# Altium PCB DS132-1.0-B电导率传感器.PcbDoc
Units mm, origin at the board's own origin, x right, y up, seen from the top; angles counter-clockwise.
Board outline 41 x 64 mm, 2 copper layers (Top Layer, Bottom Layer); 66 components, 60 nets, 235 pads, 86 vias.
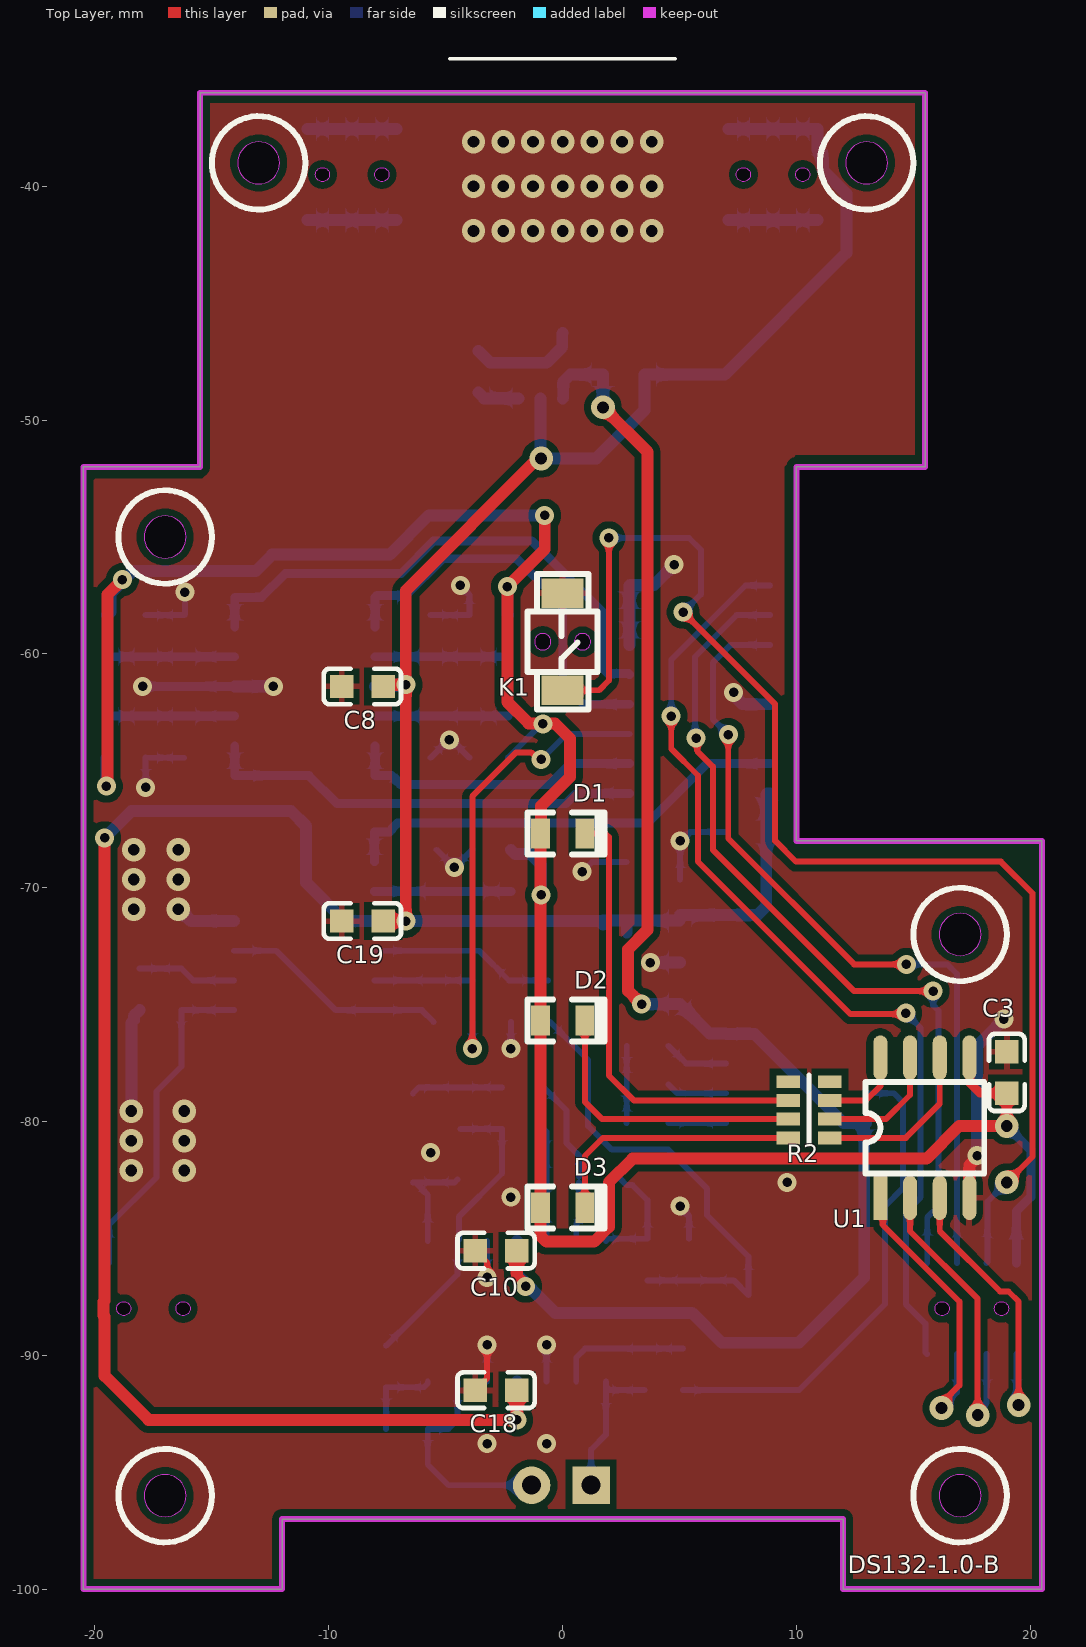
[diagram p0: Top Layer view]
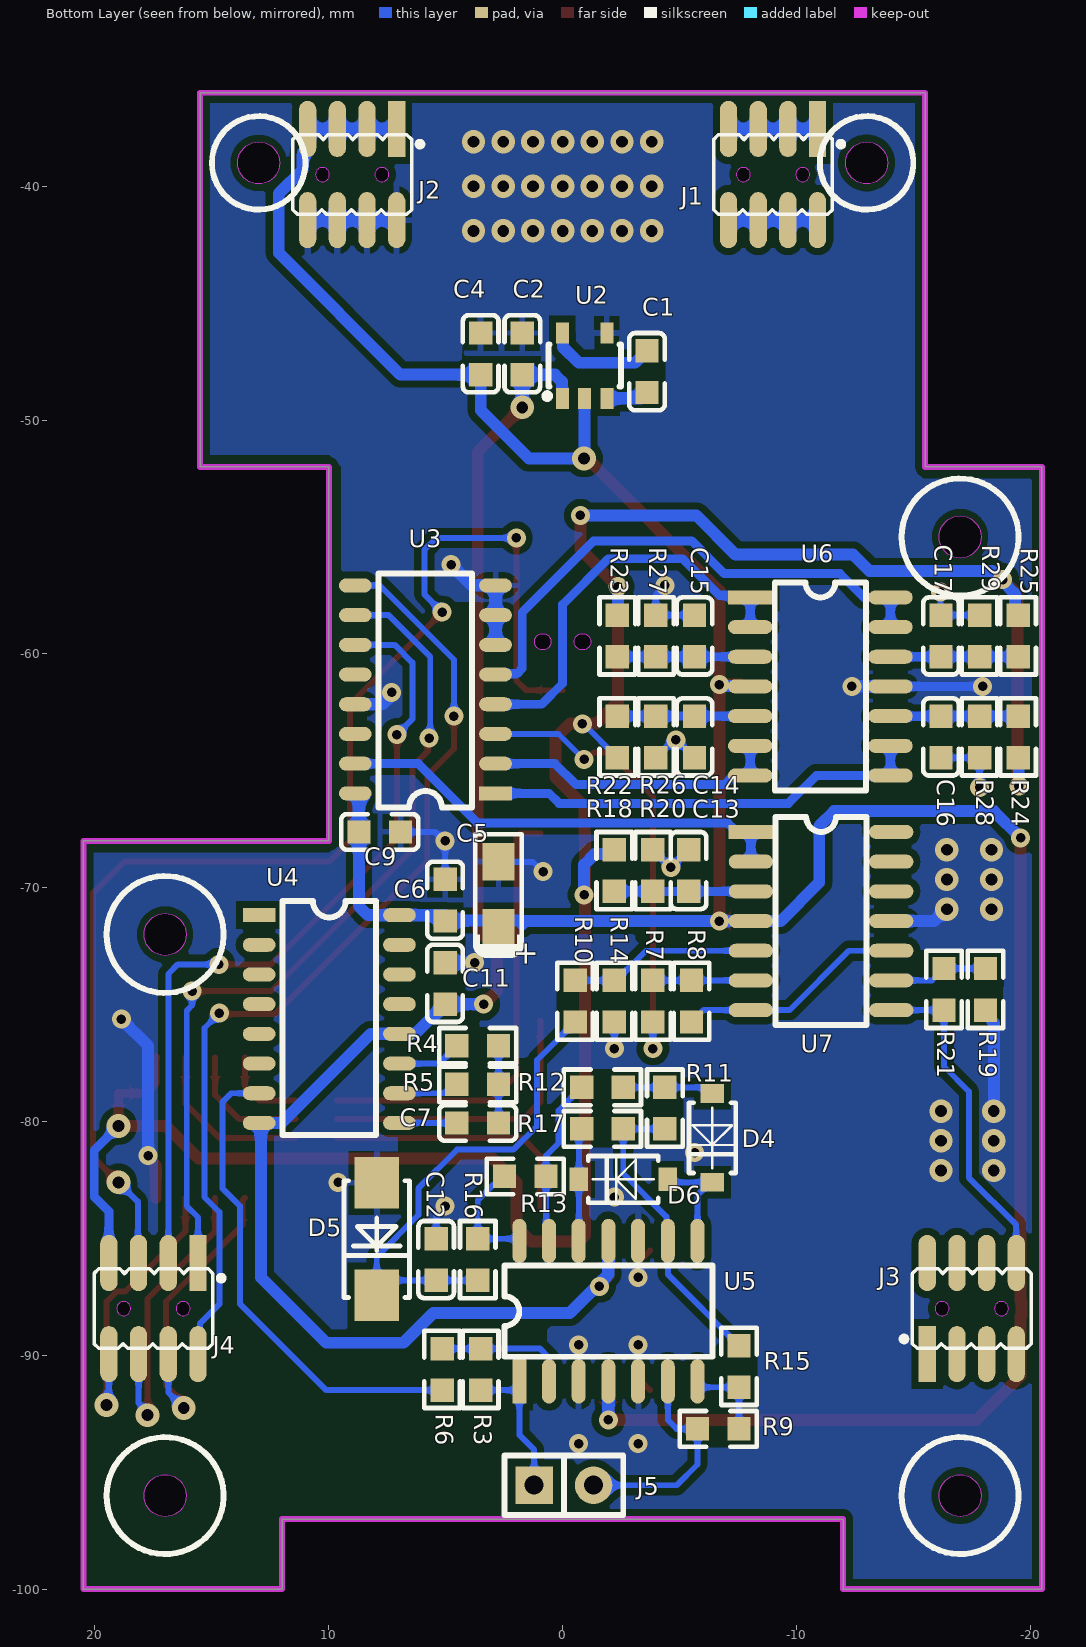
[diagram p1: Bottom Layer view, seen from below]
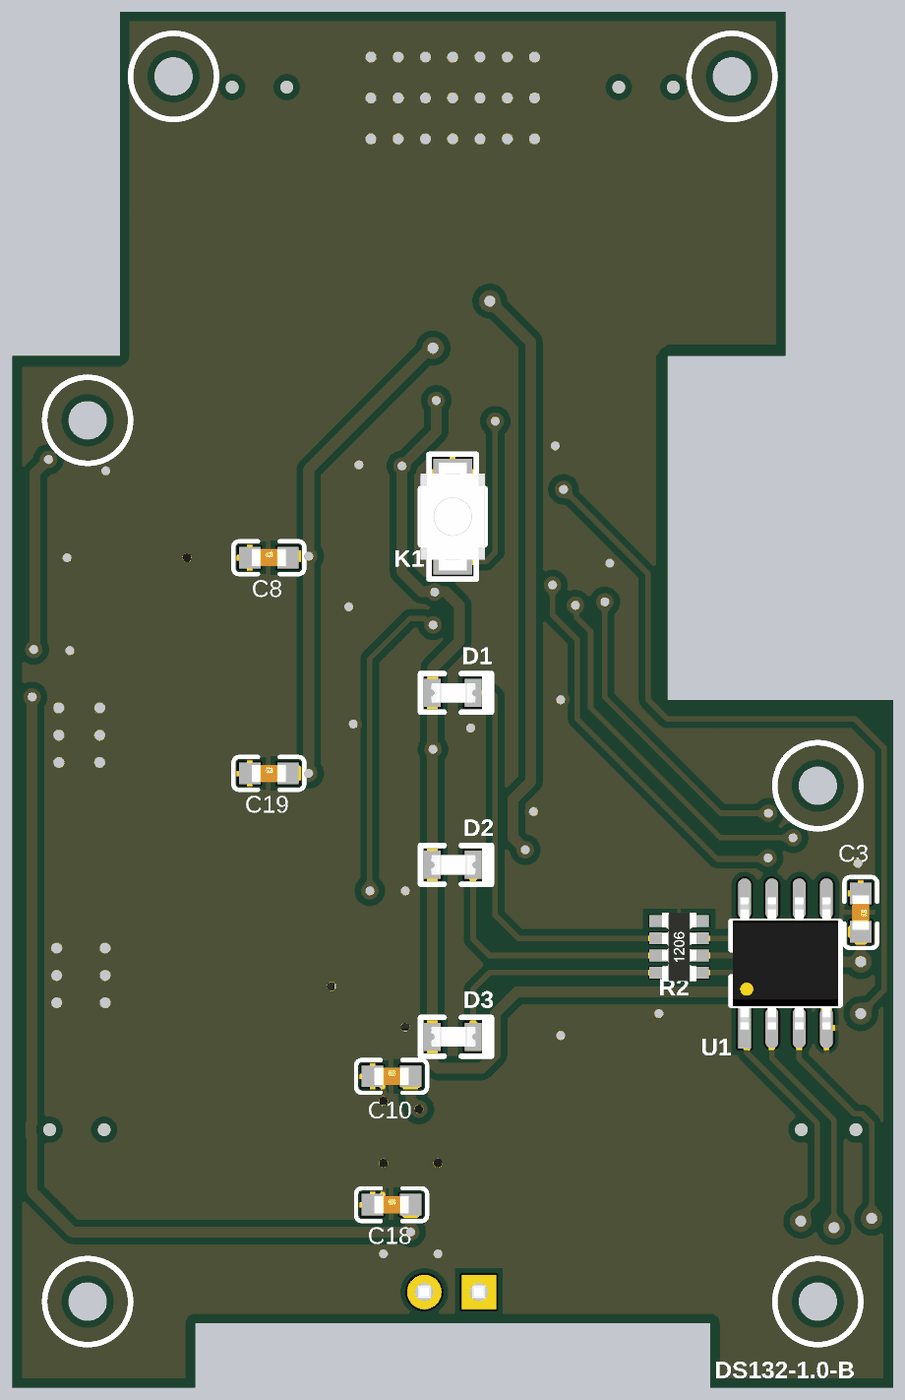
[diagram p2: 3D render of the assembled board from above, using the file's embedded part models]
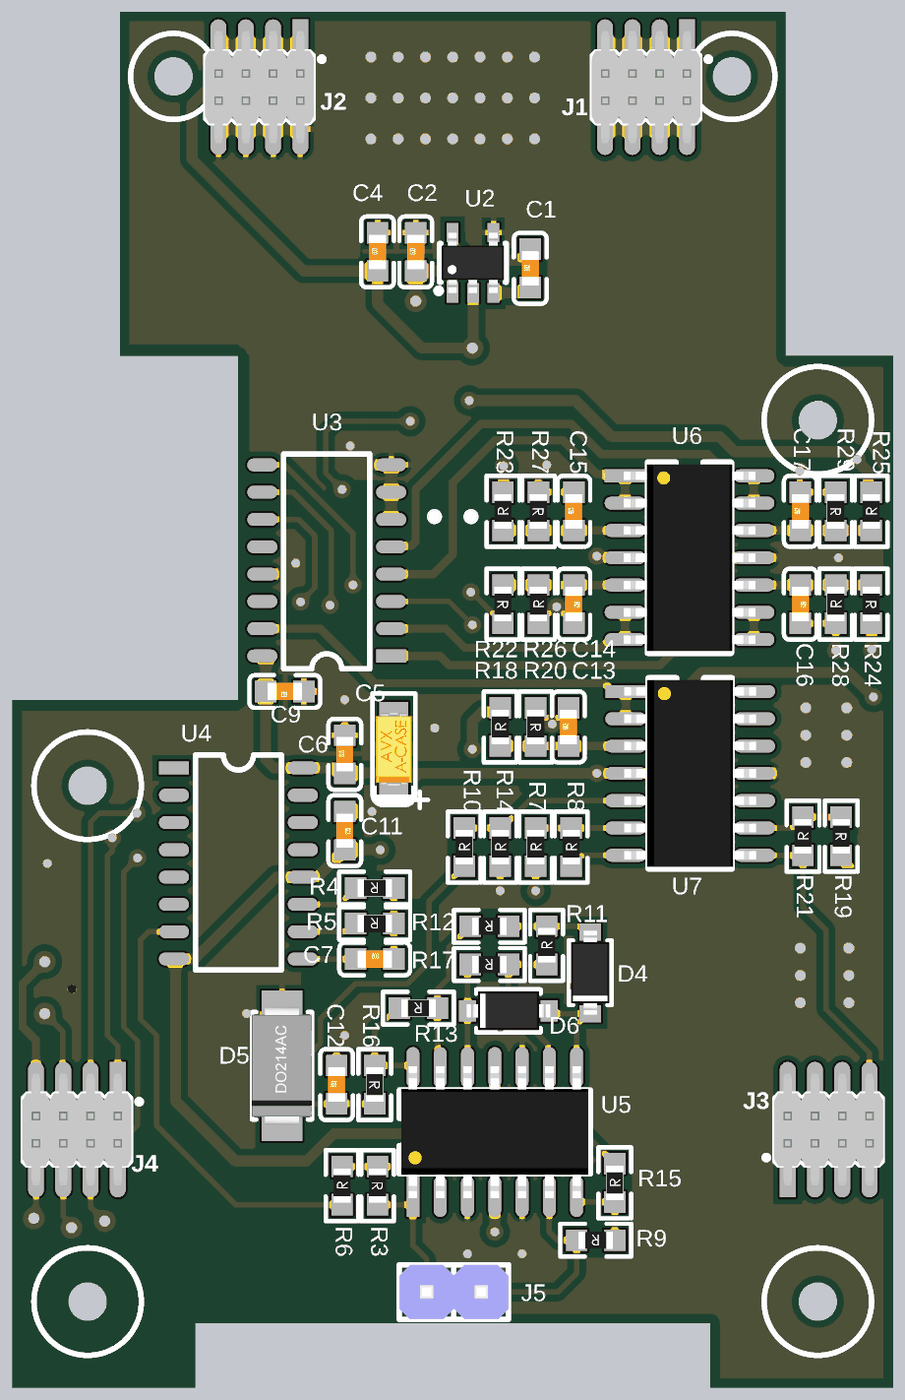
[diagram p3: 3D render of the assembled board from below, using the file's embedded part models]

## Layer stack, top to bottom
Top Solder: solder mask 0.0102, Solder Resist, Dk 3.5
Top Layer: signal copper 0.0356
Dielectric 1: dielectric 0.32, FR-4, Dk 4.8
Bottom Layer: signal copper 0.0356
Bottom Solder: solder mask 0.0102, Solder Resist, Dk 3.5

## Board outline
-20.5,-100 -20.5,-52 -15.5,-52 -15.5,-36 15.5,-36 15.5,-52 10,-52 10,-68 20.5,-68 20.5,-100 12,-100 12,-97 -12,-97 -12,-100
cut-out: -13.9,-39 ccw(c-13,-39) -13,-39.9 ccw(c-13,-39) -12.1,-39 ccw(c-13,-39) -13,-38.1 ccw(c-13,-39)
cut-out: 12.1,-39 ccw(c13,-39) 13,-39.9 ccw(c13,-39) 13.9,-39 ccw(c13,-39) 13,-38.1 ccw(c13,-39)
cut-out: -17.9,-55 ccw(c-17,-55) -17,-55.9 ccw(c-17,-55) -16.1,-55 ccw(c-17,-55) -17,-54.1 ccw(c-17,-55)
cut-out: 16.1,-72 ccw(c17,-72) 17,-72.9 ccw(c17,-72) 17.9,-72 ccw(c17,-72) 17,-71.1 ccw(c17,-72)
cut-out: 16.1,-96 ccw(c17,-96) 17,-96.9 ccw(c17,-96) 17.9,-96 ccw(c17,-96) 17,-95.1 ccw(c17,-96)
cut-out: -17.9,-96 ccw(c-17,-96) -17,-96.9 ccw(c-17,-96) -16.1,-96 ccw(c-17,-96) -17,-95.1 ccw(c-17,-96)

## Design rules (kind name [scope] priority, off if disabled: settings)
Clearance [All] p1: gap=0.152 ignorepadtopadclearanceinfootprint=TRUE except(0.305: Arc-Fill Arc-Poly Arc-Region Track-Fill Track-Poly Track-Region SMDPad-Fill SMDPad-Poly SMDPad-Region THPad-Fill THPad-Poly THPad-Region Via-Fill Via-Poly Via-Region Fill-Fill Fill-Poly Fill-Region Poly-Poly Poly-Region Region-Region)
PolygonConnect [All] p1: thpad.connectstyle=Relief thpad.reliefconductorwidth=0.254 thpad.reliefentries=4 thpad.polygonreliefangle="90 Angle" thpad.airgapwidth=0.254 smdpad.connectstyle=Relief smdpad.reliefconductorwidth=0.254 smdpad.reliefentries=4 smdpad.polygonreliefangle="90 Angle" smdpad.airgapwidth=0.254 via.connectstyle=Direct via.reliefconductorwidth=0.254 via.reliefentries=4 via.polygonreliefangle="90 Angle" via.airgapwidth=0.254
RoutingVias [All] p1: holewidth=0.508 width=1.016 viastyle="Through Hole" minholewidth=0.406 minwidth=0.813 maxholewidth=0.711 maxwidth=1.27
SolderMaskExpansion [All] p1: expansion=0.102 istentingtop=FALSE
Width [All] p1: maxlimit=0.508 minlimit=0.254 preferedwidth=0.254
30 further rules are at their usual default settings.

## Classes and differential pairs
net class TVS2_Nets: GND
net class TVS1_Nets: GND
net class R0_Nets: GND
net class J0_Nets: NetJ0_A5 NetJ0_A8 NetJ0_B5 NetJ0_B8 VBUS VSS
net class F1_Nets: VCC_5V
net class C8_Nets: GND VCC_3V3_MCU VCC_5V
net class B2_Nets: GND VSS
net class B1_Nets: VBUS
net class C19_Nets: GND VCC_5V
net class C18_Nets: GND VCC_5V
net class U6_Nets: GND NetC14_1 NetC15_1 NetC16_1 NetC17_1 VCC_5V Vref_1V2 Vref_1V8 Vref_2V4 Vref_V6
net class U7_Nets: ADC0 GND NetC13_1 NetR7_2 NetR8_1 NetR10_2 NetR19_1 VCC_5V Vref_3V
net class U5_Nets: GND NetD4_2 NetD6_2 NetJ5_2 NetR3_1 NetR9_1 NetR11_1 NetR12_2 NetR13_2 SIN VCC_5V VCC_-5V
net class U4_Nets: NetC7_1 NetR4_2 NetR5_2 NetR6_1 NetU4_1 NetU4_2 NetU4_3 NetU4_4 NetU4_5 NetU4_6 NetU4_13 NetU4_14 NetU4_15 VCC_5V VCC_-5V
net class U3_Nets: ADC1 GND I2C1_SCL I2C1_SDA NetU3_2 NetU3_4 NetU3_6 NetU3_9 NetU3_10 NetU3_11 VCC_3V3_MCU VCC_5V Vref Vref_1V2 Vref_1V8 Vref_2V4 Vref_3V Vref_V6
net class U2_Nets: GND NetC1_1 NetC1_2 VBUS VCC_5V VCC_-5V VSS
net class U1_Nets: ADC0 ADC1 DAC_OUT Dis_blue_EN Dis_green_EN Dis_red_EN GND I2C1_SCL I2C1_SDA KEY_HOME NetR2_1 NetR2_2 NetR2_3 SPI2_MISO SPI2_MOSI SPI2_SCK USART2_RXD USART2_TXD VCC_3V3_MCU
net class R29_Nets: GND NetC17_1
net class R28_Nets: GND NetC16_1
net class R27_Nets: GND NetC15_1
net class R26_Nets: GND NetC14_1
net class R25_Nets: NetC17_1 VCC_3V3_MCU
net class R24_Nets: NetC16_1 VCC_3V3_MCU
net class R23_Nets: NetC15_1 VCC_3V3_MCU
net class R22_Nets: NetC14_1 VCC_3V3_MCU
net class R21_Nets: ADC0 NetR19_1
net class R20_Nets: GND NetC13_1
net class R19_Nets: GND NetR19_1
net class R18_Nets: NetC13_1 VCC_3V3_MCU
net class R17_Nets: NetD6_2 NetR11_1
net class R16_Nets: NetR13_2 SIGNAL
net class R15_Nets: NetR9_1 NetR11_1
net class R14_Nets: GND NetR10_2
net class R13_Nets: NetR12_2 NetR13_2
net class R12_Nets: NetD4_1 NetR12_2
net class R11_Nets: NetD4_1 NetR11_1
net class R10_Nets: NetR10_2 SIGNAL
net class R9_Nets: NetJ5_2 NetR9_1
net class R8_Nets: NetR7_2 NetR8_1
net class R7_Nets: NetR7_2 Vref
net class R6_Nets: NetR3_1 NetR6_1
net class R5_Nets: NetC7_2 NetR5_2
net class R4_Nets: DAC_OUT NetC7_2 NetR4_2
net class R3_Nets: NetR3_1 SIN
net class R2_Nets: LED_blue LED_green LED_red NetR2_1 NetR2_2 NetR2_3
net class K1_Nets: GND KEY_HOME
net class J5_Nets: GND NetJ5_2 SIN VCC_3V3_MCU
net class J4_Nets: ADC1 Dis_blue_EN Dis_green_EN Dis_red_EN I2C1_SCL I2C1_SDA KEY_HOME VCC_3V3_MCU
net class J3_Nets: ADC0 DAC_OUT SPI2_CS SPI2_MISO SPI2_MOSI SPI2_SCK USART2_RXD USART2_TXD
net class J2_Nets: GND VCC_5V
net class J1_Nets: VBUS VSS
net class D6_Nets: NetD4_2 NetD6_2
net class D5_Nets: GND SIGNAL
net class D4_Nets: NetD4_1 NetD4_2
net class D3_Nets: LED_green VCC_3V3_MCU
net class D2_Nets: LED_red VCC_3V3_MCU
net class D1_Nets: LED_blue VCC_3V3_MCU
net class C17_Nets: GND NetC17_1
net class C16_Nets: GND NetC16_1
net class C15_Nets: GND NetC15_1
net class C14_Nets: GND NetC14_1
net class C13_Nets: GND NetC13_1
net class C12_Nets: GND SIGNAL
net class C11_Nets: DAC_OUT GND VCC_-5V
net class C10_Nets: GND VCC_-5V
net class C9_Nets: GND VCC_5V
net class C0_Nets: GND VCC_5V
net class C7_Nets: GND NetC7_1 NetC7_2 VCC_3V3_MCU
net class C6_Nets: GND VCC_5V
net class C5_Nets: GND VCC_3V3_MCU VCC_5V
net class C4_Nets: GND VCC_5V
net class C3_Nets: GND VCC_3V3_MCU
net class C2_Nets: GND VCC_3V3_MCU VCC_-5V
net class C1_Nets: GND NetC1_1 NetC1_2 VCC_3V3_MCU
component class DS132-1.0-B电导率传感器: C12 C13 C14 C15 C16 C17 C18 C19 D1 D2 D3 D4 D5 D6 K1 R5 R7 R8 R9 R10 R11 R12 R13 R14 R15 R16 R17 R18 R19 R20 R21 R22 R23 R24 R25 R26 R27 R28 R29 U4 U5 U6 U7

## Components (designator, comment, footprint, x,y, rotation, side; value= is the part's Value field where it differs from the comment)
C1 "MLCC 10uF 50V ±20％ 1206" 0603CAP -3.609,-47.93 r90 bottom value=3.3uF
C2 "MLCC 10uF 50V ±20％ 1206" 0603CAP 1.725,-47.165 r90 bottom value=3.3uF
C3 "SMDCAP00013" 0603CAP 18.997,-77.901 r270 top value=100nF
C4 "MLCC 10uF 50V ±20％ 1206" 0603CAP 3.503,-47.165 r90 bottom value=3.3uF
C5 "SMDECAP00002" AVX_3216-18(1206)_SMD 2.741,-70.307 r90 bottom value=10uF
C6 "MLCC 10uF 50V ±20％ 1206" 0603CAP 5.027,-70.536 r90 bottom value=100nF
C7 "MLCC 10uF 50V ±20％ 1206" 0603CAP 3.631,-80.061 r180 bottom value=1.5nF
C8 "SMDCAP00013" 0603CAP -8.563,-61.392 r0 top value=100nF
C9 "SMDCAP00013" 0603CAP 7.82,-67.615 r0 bottom value=100nF
C10 "SMDCAP00013" 0603CAP -2.848,-85.522 r0 top value=100nF
C11 "SMDCAP00013" 0603CAP 5.027,-74.091 r270 bottom value=100nF
C12 "MLCC 10uF 50V ±20％ 1206" 0603CAP 5.408,-85.903 r90 bottom value=20pF
C13 "SMDCAP00013" 0603CAP -5.387,-69.266 r90 bottom value=100nF
C14 "SMDCAP00013" 0603CAP -5.641,-63.551 r270 bottom value=100nF
C15 "SMDCAP00013" 0603CAP -5.641,-59.233 r90 bottom value=100nF
C16 "SMDCAP00013" 0603CAP -16.182,-63.551 r270 bottom value=100nF
C17 "SMDCAP00013" 0603CAP -16.182,-59.233 r90 bottom value=100nF
C18 "SMDCAP00013" 0603CAP -2.848,-91.491 r0 top value=100nF
C19 "SMDCAP00013" 0603CAP -8.563,-71.425 r0 top value=100nF
D1 "SMDLED00010" LED_0805 0,-67.68 r0 top locked value=BLUE
D2 "SMDLED00003" LED_0805 0,-75.68 r0 top locked value=RED
D3 "Chip 翠绿LED 0805" LED_0805 0,-83.68 r0 top locked value=GREEN
D4 "DIPDIODE02001" SOD-123 -6.403,-80.701 r270 bottom value=1N4148
D5 "SMDDIODE06003" SMA/DO-214AC 7.948,-85.027 r270 bottom value=SS14
D6 "DIPDIODE02001" SOD-123 -2.593,-82.474 r0 bottom value=1N4148
J1 "X1321WVS-2x04J-C40D53" X1321WVS-2X04J-C40D53 -9,-39.5 r0 bottom locked value=2*4P
J2 "X1321WVS-2x04J-C40D53" X1321WVS-2X04J-C40D53 9,-39.5 r0 bottom locked value=2*4P
J3 "X1321WVS-2x04J-C40D53" X1321WVS-2X04J-C40D53 -17.5,-88 r180 bottom locked value=2*4P
J4 "X1321WVS-2x04J-C40D53" X1321WVS-2X04J-C40D53 17.5,-88 r0 bottom locked value=2*4P
J5 "SL000000042" SIP2 -0.053,-95.555 r180 bottom value=电导率探头
K1 "TS-1185-B-A-A-A" KEY_TS-1185-x-A-A-A 0,-59.48 r270 top locked
R2 "SMDRES05003" 0603RES_Pack4 10.541,-79.497 r180 top locked value=510R (schematic designator R1)
R3 "SMDRES00001" 0603RES 3.503,-90.602 r270 bottom value=2K
R4 "SMDRES00001" 0603RES 3.631,-76.759 r0 bottom value=100K
R5 "SMDRES00001" 0603RES 3.631,-78.41 r0 bottom value=10K
R6 "SMDRES00001" 0603RES 5.154,-90.602 r90 bottom value=51K
R7 "SMDRES00001" 0603RES -3.863,-74.854 r90 bottom value=10K
R8 "SMDRES00001" 0603RES -5.514,-74.854 r90 bottom value=10K
R9 "SMDRES00001" 0603RES -6.657,-93.142 r0 bottom value=820R
R10 "SMDRES00001" 0603RES -0.534,-74.854 r90 bottom value=10K
R11 "SMDRES00001" 0603RES -4.371,-79.426 r90 bottom value=36K
R12 "SMDRES00001" 0603RES -1.704,-78.537 r0 bottom value=36K
R13 "SMDRES00001" 0603RES 1.598,-82.347 r0 bottom value=36K
R14 "SMDRES00001" 0603RES -2.212,-74.854 r90 bottom value=10K
R15 "SMDRES00001" 0603RES -7.546,-90.475 r90 bottom value=36K
R16 "SMDRES00001" 0603RES 3.63,-85.903 r270 bottom value=10K
R17 "SMDRES00001" 0603RES -1.704,-80.315 r0 bottom value=36K
R18 "SMDRES00001" 0603RES -2.212,-69.265 r90 bottom value="137R ±0.1%"
R19 "SMDRES00001" 0603RES -18.087,-74.346 r270 bottom value=5.1K
R20 "SMDRES00001" 0603RES -3.863,-69.265 r270 bottom value="1K ±0.1%"
R21 "SMDRES00001" 0603RES -16.309,-74.346 r90 bottom value=20K
R22 "SMDRES00001" 0603RES -2.339,-63.551 r270 bottom value="2.49K ±0.1％"
R23 "SMDRES00001" 0603RES -2.339,-59.233 r90 bottom value="10K ±0.1％"
R24 "SMDRES00001" 0603RES -19.484,-63.551 r270 bottom value="1.07K ±0.1％"
R25 "SMDRES00001" 0603RES -19.484,-59.233 r90 bottom value="470R ±0.1%"
R26 "SMDRES00001" 0603RES -3.99,-63.551 r90 bottom value="1K ±0.1%"
R27 "SMDRES00001" 0603RES -3.99,-59.233 r270 bottom value="1K ±0.1%"
R28 "SMDRES00001" 0603RES -17.833,-63.551 r90 bottom value="1K ±0.1%"
R29 "SMDRES00001" 0603RES -17.833,-59.233 r270 bottom value="1K ±0.1%"
U1 "SMDIC000018" SO-8 15.494,-80.264 r90 top locked value=ULN2001 (schematic designator U2)
U2 "SGM3206" SOT23-5 -0.942,-47.673 r180 bottom value=丝印SL7NL
U3 "XL14051BDR" SOP-16 5.868,-61.519 r0 bottom
U4 "CD4060BM" SOP-16 9.98,-75.616 r180 bottom
U5 "SMDIC000032" SO-14 1.852,-91.11 r90 bottom value=LM324
U6 "SMDIC000032" SO-14 -8.023,-57.582 r180 bottom value=LM324
U7 "SMDIC000032" SO-14 -8.054,-67.615 r180 bottom value=LM324

## Footprints (in the part's own frame and the unit in brackets; to place one, negate y for a bottom-side part, rotate by r counter-clockwise, add the part's x,y. Pads: shape width x height; smd on the part's side, far side on the other; paste and mask are expansions set on the pad)
0603CAP [mm]
  rect 1x1 smd: 1(-0.889,0) 2(0.89,0)
  silkscreen extent -1.65,-0.76 1.65,0.76, body extent -0.8,-0.4 0.8,0.4, height 0.3
0603RES [mm]
  rect 1x1 smd: 1(-0.889,0) 2(0.889,0)
  silkscreen extent -1.65,-0.76 1.65,0.76, body extent -0.8,-0.41 0.8,0.41, height 0.51
0603RES_Pack4 [mm]
  rect 1x0.55 smd mask+0.05: 1(-0.889,1.2) 2(-0.889,0.4) 3(-0.889,-0.4) 4(-0.889,-1.2) 5(0.889,-1.2) 6(0.889,-0.4) 7(0.889,0.4) 8(0.889,1.2)
  silkscreen extent 0,-1.5 0,1.5, body extent -0.8,-1.6 0.8,1.6, height 0.5
AVX_3216-18(1206)_SMD [mm]
  rect 1.6x1.35 smd: 1(-1.41,0) 2(1.41,0)
  silkscreen extent -2.6,-1 2.6,1, body extent -1.7,-0.84 1.7,0.84, height 1.71
KEY_TS-1185-x-A-A-A [mm]
  rect 1.25x1.8 smd: 1(-2.075,0) 2(2.075,0)
  Keep-Out Layer board cut-out: 0.35,-0.85 0.323,-0.716 0.247,-0.603 0.134,-0.527 0,-0.5 0,-0.5 -0.134,-0.527 -0.247,-0.603 -0.323,-0.716 -0.35,-0.85 -0.35,-0.85 -0.323,-0.984 -0.247,-1.097 -0.134,-1.173 0,-1.2 0,-1.2 0.134,-1.173 0.247,-1.097 0.323,-0.984 0.35,-0.85
  Keep-Out Layer board cut-out: -0.35,0.85 -0.323,0.716 -0.247,0.603 -0.134,0.527 0,0.5 0,0.5 0.134,0.527 0.247,0.603 0.323,0.716 0.35,0.85 0.35,0.85 0.323,0.984 0.247,1.097 0.134,1.173 0,1.2 0,1.2 -0.134,1.173 -0.247,1.097 -0.323,0.984 -0.35,0.85
  silkscreen extent -2.9,-1.5 2.9,1.5, body extent -2.5,-1.5 2.5,1.5, height 2
LED_0805 [mm]
  rect 0.8x1.3 smd: 1(-0.95,0) 2(0.95,0)
  silkscreen extent -1.5,-0.9 1.8,0.9, body extent -1,-0.45 1.06,0.45, height 0.85
SIP2 [mm]
  rect 1.6x1.6 hole 0.813: 1(-1.27,0)
  round 1.6 hole 0.813: 2(1.27,0)
  silkscreen extent -2.54,-1.27 2.54,1.27, body extent -2.54,-1.27 2.54,1.27, height 8.64
SMA/DO-214AC [mm]
  rect 2.2x1.9 smd: 1(-2.4,0) 2(2.4,0)
  silkscreen extent -2.5,-1.4 2.5,1.4, body extent -2.74,-1.4 2.74,1.4, height 2.28
SO-8 [mm]
  rect 1.9x0.6 smd: 1(-3,1.905)
  oval 1.9x0.6 smd: 2(-3,0.635) 3(-3,-0.635) 4(-3,-1.905) 5(3,-1.905) 6(3,-0.635) 7(3,0.635) 8(3,1.905)
  silkscreen extent -1.95,-2.54 1.95,2.54, body extent -3.07,-2.44 3.07,2.44, height 1.77
SO-14 [mm]
  rect 1.9x0.6 smd: 1(0,0)
  oval 1.9x0.6 smd: 2(0,-1.27) 3(0,-2.54) 4(0,-3.81) 5(0,-5.08) 6(0,-6.35) 7(0,-7.62) 8(6,-7.62) 9(6,-6.35) 10(6,-5.08) 11(6,-3.81) 12(6,-2.54) 13(6,-1.27) 14(6,0)
  silkscreen extent 1.05,-8.25 4.95,0.63, body extent -0.07,-8.16 6.07,0.54, height 1.77
SOD-123 [mm]
  rect 0.8x1 smd: 1(-1.9,0) 2(1.9,0)
  silkscreen extent -1.5,-1 1.5,1, body extent -1.95,-0.9 1.95,0.9, height 1.18
SOP-16 [mm]
  rect 1.4x0.6 smd: 1(-3,4.445)
  oval 1.4x0.6 smd: 2(-3,3.175) 3(-3,1.905) 4(-3,0.635) 5(-3,-0.635) 6(-3,-1.905) 7(-3,-3.175) 8(-3,-4.445) 9(3,-4.445) 10(3,-3.175) 11(3,-1.905) 12(3,-0.635) 13(3,0.635) 14(3,1.905) 15(3,3.175) 16(3,4.445)
  silkscreen extent -2,-4.95 2,5.05
SOT23-5 [mm] "SOT-23/SC-74A; 5 Leads; Body 3.1 x 3 mm, inc. leads (LxW max)"
  rect 0.55x0.9 smd: 1(-0.95,-1.4) 2(0,-1.4) 3(0.95,-1.4) 4(0.95,1.4) 5(-0.95,1.4)
  silkscreen extent -1.7,-1.4 1.55,0.9, body extent -1.45,-1.4 1.45,1.4, height 1.45
X1321WVS-2X04J-C40D53 [mm]
  rect 0.74x2.4 smd: 1(-1.905,-1.95)
  oval 0.74x2.4 smd: 2(-1.905,1.95) 3(-0.635,-1.95) 4(-0.635,1.95) 5(0.635,-1.95) 6(0.635,1.95) 7(1.905,-1.95) 8(1.905,1.95)
  Keep-Out Layer board cut-out: -1.57,0 -1.547,-0.115 -1.482,-0.212 -1.385,-0.277 -1.27,-0.3 -1.27,-0.3 -1.155,-0.277 -1.058,-0.212 -0.993,-0.115 -0.97,0 -0.97,0 -0.993,0.115 -1.058,0.212 -1.155,0.277 -1.27,0.3 -1.27,0.3 -1.385,0.277 -1.482,0.212 -1.547,0.115 -1.57,0
  Keep-Out Layer board cut-out: 1.57,0 1.547,0.115 1.482,0.212 1.385,0.277 1.27,0.3 1.27,0.3 1.155,0.277 1.058,0.212 0.993,0.115 0.97,0 0.97,0 0.993,-0.115 1.058,-0.212 1.155,-0.277 1.27,-0.3 1.27,-0.3 1.385,-0.277 1.482,-0.212 1.547,-0.115 1.57,0
  silkscreen extent -3,-1.7 2.54,1.7, body extent -2.54,-2.6 2.54,2.6, height 5.5

## Part data
C1 C2 C4 C6 C7 C12: "贴片电容"
C3 C8 C9 C10 C11 C13 C14 C15 C16 C17 C18 C19: library part "MLCC 100nF 50V ±10％ 0603", "贴片电容"
C5: library part "SMD_AEC_10uF/16V 4*5mm", "贴片铝电解电容"
D1: library part "Chip 蓝色LED 0805", "贴片LED"
D2: library part "Chip 红色LED 0805", "贴片LED"
D3: "贴片LED"
D4 D6: library part 1N4148W, "贴片开关二极管 T4"
D5: library part "SS12 SMA/DO-214AC（1N5817）", "贴片肖特基二极管"
J1 J2 J3 J4: "双排针2x4P 立贴 1.27mm"
J5: library part "DIP2 单排直针 1*40P 间距2.54mm 针长11mm 铜", "单排直针"
K1: "轻触开关"
R2: library part "Chip R*4 510R 1/16W ±5％ 0603", "贴片排阻"
R3 R4 R5 R6 R7 R8 R9 R10 R11 R12 R13 R14 R15 R16 R17 R18 R19 R20 R21 R22 R23 R24 R25 R26 R27 R28 R29: library part "Chip 0R 1/10W ±25％ 0805", "贴片电阻"
U1: library part "ULN2001 SOP-8", "电机驱动芯片"
U2: "电荷泵芯片"
U3: "8通道模拟多路复用器"
U4: "14 位二进制分频器/振荡器"
U5 U6 U7: library part "LM324 SOP-14 ST", "运放芯片"

## Via types
v1: diameter 0.813, hole 0.406, Top Layer to Bottom Layer, tented both sides, 46 vias
v2: diameter 1, hole 0.5, Top Layer to Bottom Layer, tented both sides, 33 vias
v3: diameter 1.016, hole 0.508, Top Layer to Bottom Layer, tented both sides, 7 vias

## Nets (pads, with @x,y where several pads share a name; then routed paths per layer and width w, separated by ;. In a path a pad name is that pad's centre, name@x,y a point inside that pad or via, vN(x,y) a via of type N, cw(c..) or ccw(c..) an arc to the next point about the centre after c; other vN are vias at no path point)
ADC0: J3.8 R21.1 U7.8 | length 14.4
  Bottom Layer w0.254: J3.8 -19.397,-86.042 -19.397,-84.419 -17.376,-82.398 -17.376,-78.715 -16.309,-77.648 R21.1 U7.8
ADC1: J4.2 U3.9 | length 41.8
  Top Layer w0.254: v1(4.646,-62.662) 4.646,-64.059 5.789,-65.202 5.789,-68.885 12.312,-75.408 14.633,-75.408 v1(14.679,-75.362)
  Bottom Layer w0.254: v1(4.646,-62.662) 4.646,-60.249 7.821,-57.074 U3.9 ; v1(14.679,-75.362) 15.314,-75.997 15.314,-83.236 14.679,-83.871 14.679,-87.808 15.516,-88.645 15.516,-89.871 J4.2
DAC_OUT: J3.6
Dis_blue_EN: J4.4 U1.1 | length 13.3
  Top Layer w0.254: U1.1 13.699,-83.374 13.699,-84.434 16.965,-87.7 16.965,-91.285 16.203,-92.047 v3(16.203,-92.253)
  Bottom Layer w0.254: v3(16.203,-92.253) 16.865,-91.591 J4.4
Dis_green_EN: J4.8 U1.3 | length 12.7
  Top Layer w0.254: U1.3 16.129,-84.686 18.711,-87.268 19.073,-87.268 19.502,-87.697 19.502,-88.059 19.505,-88.062 v3(19.505,-92.126)
  Bottom Layer w0.254: J4.8 19.405,-92.026 v3(19.505,-92.126)
Dis_red_EN: J4.6 U1.2 | length 13.3
  Top Layer w0.254: U1.2 14.859,-84.686 17.752,-87.579 v3(17.752,-92.558)
  Bottom Layer w0.254: v3(17.752,-92.558) 17.752,-92.411 18.135,-92.028 J4.6
GND: C2.2 C3.1 C4.2 C5.2 C6.2 C8.1 C9.1 C10.1 C11.1 C12.2 C13.2 C14.2 C15.2 C16.2 C17.2 C18.1 C19.1 D5.1 J2.2 J2.4 J2.6 J2.8 K1.1 R14.1 R19.2 R20.1 R26.1 R27.1 R28.1 R29.1 U1.4 U2.4 U3.6 U3.7 U3.8 U3.13 U5.3 U5.5 U5.10 U6.11 U7.11 | length 62.4
  Top Layer w0.254: C18.1 -3.228,-90.982 v1(-3.228,-89.555) ; C10.1 -3.228,-86.031 v1(-3.228,-86.665)
  Top Layer w0.508: U1.4 17.399,-81.868 17.727,-81.54 v1(17.727,-81.458)
  Bottom Layer w0.254: v1(-17.833,-65.71) R28.1 R28.1 C16.2 ; R29.1 R29.1 C17.2 -16.157,-58.318 v1(-16.157,-57.353) ; C14.2 -4.878,-63.678 v1(-4.84,-63.678) -4.752,-63.678 R26.1 ; C15.2 R27.1 R27.1 -3.99,-57.481 -4.371,-57.1 v1(-4.371,-57.074) ; C13.2 v1(-4.633,-69.13) -4.617,-69.13 R20.1 ; U5.5 v1(-3.228,-89.555) ; v1(-3.228,-86.665) U5.10 ; v1(-2.212,-76.886) R14.1 ; U5.3 v1(-0.688,-89.555) ; v1(0.836,-69.317) 0.845,-69.317 1.264,-68.897 C5.2 ; v1(5.027,-83.617) 5.027,-83.664 5.408,-84.045 C12.2 ; C6.2 v1(5.027,-67.996) 5.074,-67.996 5.455,-67.615 C9.1
  Bottom Layer w0.381: v1(-17.96,-61.392) U6.11
  Bottom Layer w0.508: v2(-18.443,-79.553) -18.443,-75.779 -18.333,-75.669 -18.333,-75.481 R19.2 ; v2(-16.436,-70.917) -16.4,-70.917 -15.892,-71.425 U7.11 ; U6.11 v1(-12.372,-61.392) ; U3.6 U3.7 U3.8 2.886,-57.056 3.902,-57.056 v1(4.773,-56.185) ; v1(3.758,-73.202) v1(3.758,-73.202) C11.1 ; J2.2 J2.4 J2.6 J2.8 ; v1(7.313,-61.646) 7.313,-61.728 7.465,-61.881 7.465,-61.925 7.694,-62.154 U3.13 ; v1(17.727,-81.458) 17.727,-76.759 v1(18.87,-75.616)
  other v1: -3.228,-93.777 -0.688,-93.777 -2.212,-83.236 9.599,-82.601 -5.641,-81.331
  other v2: -18.443,-82.093 -16.182,-82.093 -18.443,-80.823 -16.182,-80.823 -16.182,-79.553 -18.341,-70.917 -18.341,-69.647 -16.436,-69.647 -18.341,-68.377 -16.436,-68.377 -3.81,-41.91 -2.54,-41.91 -1.27,-41.91 0,-41.91 1.27,-41.91 2.54,-41.91 3.81,-41.91 -3.81,-40.005 -2.54,-40.005 -1.27,-40.005 0,-40.005 1.27,-40.005 2.54,-40.005 3.81,-40.005 -3.81,-38.1 -2.54,-38.1 -1.27,-38.1 0,-38.1 1.27,-38.1 2.54,-38.1 3.81,-38.1
I2C1_SCL: J4.1 U3.10 | length 36.4
  Top Layer w0.254: v1(5.713,-63.602) 5.762,-63.651 5.762,-64.159 6.424,-64.821 6.424,-68.377 12.469,-74.422 v1(15.847,-74.422)
  Bottom Layer w0.254: v1(5.713,-63.602) 5.662,-63.551 5.662,-60.122 7.44,-58.344 U3.10 ; J4.1 15.595,-84.098 16.076,-83.617 16.076,-75.26 15.847,-75.032 v1(15.847,-74.422)
I2C1_SDA: J4.3 U3.11 | length 35.1
  Top Layer w0.254: v1(7.084,-63.449) 7.084,-67.894 12.469,-73.279 v1(14.704,-73.279)
  Bottom Layer w0.254: v1(7.084,-63.449) 6.424,-62.789 6.424,-60.376 7.186,-59.614 U3.11 ; v1(14.704,-73.279) 16.457,-73.279 16.865,-73.687 J4.3
KEY_HOME: J4.5 K1.2 | length 55.3
  Top Layer w0.254: K1.2 1.562,-61.555 1.979,-61.138 v1(1.979,-55.042) ; v1(5.154,-58.217) 9.091,-62.154 9.091,-67.996 9.98,-68.885 18.743,-68.885 20.094,-70.236 20.094,-81.504 v3(18.997,-82.601)
  Bottom Layer w0.254: v1(1.979,-55.042) 5.408,-55.042 5.916,-55.55 5.916,-57.455 v1(5.154,-58.217) ; J4.5 18.169,-86.016 18.169,-83.429 v3(18.997,-82.601)
LED_blue: D1.2 R2.6 | length 19.4
  Top Layer w0.254: D1.2 0.96,-67.69 1.83,-67.69 1.979,-67.838 1.979,-78.029 3.047,-79.097 R2.6
LED_green: D3.2 R2.8 | length 11.2
  Top Layer w0.254: D3.2 0.95,-81.471 1.724,-80.697 R2.8
LED_red: D2.2 R2.7 | length 12.5
  Top Layer w0.254: D2.2 0.95,-79.159 1.688,-79.897 R2.7
NetC1_1: C1.1 U2.3 | length 1.8
  Bottom Layer w0.508: C1.1 -3.355,-49.073 U2.3
NetC1_2: C1.2 U2.5 | length 4.7
  Bottom Layer w0.508: C1.2 -3.1,-47.549 -0.688,-47.549 -0.013,-46.874 -0.013,-46.294 U2.5
NetC7_1: C7.1 U4.9 | length 2.5
  Bottom Layer w0.254: C7.1 U4.9
NetC7_2: C7.2 R4.1 R5.1 | length 3.3
  Bottom Layer w0.254: C7.2 C7.2 R5.1 R4.1
NetC13_1: C13.1 R18.1 R20.2 U7.3 | length 5.8
  Bottom Layer w0.381: U7.3 U7.3 R20.2 R18.1
NetC14_1: C14.1 R22.1 R26.2 U6.5 | length 5.7
  Bottom Layer w0.381: U6.5 C14.1 R26.2 R22.1
NetC15_1: C15.1 R23.1 R27.2 U6.3 | length 5.7
  Bottom Layer w0.381: U6.3 C15.1 R27.2 R23.1
NetC16_1: C16.1 R24.1 R28.2 U6.10 | length 5.5
  Bottom Layer w0.381: R24.1 R28.2 C16.1 U6.10
NetC17_1: C17.1 R25.1 R29.2 U6.12 | length 5.5
  Bottom Layer w0.381: R25.1 R29.2 C17.1 U6.12
NetD4_1: D4.1 R11.2 R12.1 | length 3.9
  Bottom Layer w0.254: D4.1 -6.139,-78.537 R11.2 R12.1
NetD4_2: D4.2 D6.1 U5.8 | length 4.7
  Bottom Layer w0.254: D4.2 D4.2@-6.303,-82.601 ; U5.8 -5.768,-83.136 D4.2@-6.303,-82.601 ; D6.1 -4.62,-82.601 D4.2@-6.303,-82.601
NetD6_2: D6.2 R17.2 U5.12 | length 4.8
  Bottom Layer w0.254: R17.2 -0.693,-80.437 D6.2 -0.693,-85.105 U5.12
NetJ5_2: J5.2 R9.2 U5.6 | length 9.4
  Bottom Layer w0.254: U5.6 -4.498,-92.761 -4.879,-93.142 R9.2 -5.768,-94.666 -4.879,-95.555 J5.2
NetR2_1: R2.1 U1.6 | length 7.3
  Top Layer w0.254: R2.1 14.678,-80.697 16.129,-79.246 U1.6
NetR2_2: R2.2 U1.7 | length 5.5
  Top Layer w0.254: R2.2 13.827,-79.897 14.859,-78.865 U1.7
NetR2_3: R2.3 U1.8 | length 3.6
  Top Layer w0.254: R2.3 12.976,-79.097 13.589,-78.484 U1.8
NetR3_1: R3.1 R6.2 U5.2 | length 5.7
  Bottom Layer w0.254: U5.2 0.582,-90.094 0.963,-89.713 R3.1 R6.2
NetR4_2: R4.2 U4.11 | length 2.8
  Bottom Layer w0.254: R4.2 5.282,-77.521 U4.11
NetR5_2: R5.2 U4.10 | length 2.6
  Bottom Layer w0.254: R5.2 4.901,-78.791 U4.10
NetR6_1: R6.1 U4.7 | length 20.8
  Bottom Layer w0.254: R6.1 10.107,-91.491 13.79,-87.808 13.79,-83.617 14.552,-82.855 14.552,-79.172 14.171,-78.791 U4.7
NetR7_2: R7.2 R8.2 U7.6 | length 4.2
  Bottom Layer w0.254: U7.6 R8.2 R7.2
NetR8_1: R8.1 U7.7 U7.10 | length 9.8
  Bottom Layer w0.254: U7.10 -12.245,-72.695 -9.705,-75.235 U7.7 -6.022,-75.235 R8.1
NetR9_1: R9.1 R15.1 U5.7 | length 3.7
  Bottom Layer w0.254: R9.1 R15.1 -5.928,-91.364 -5.768,-91.204 U5.7
NetR10_2: R10.2 R14.2 U7.5 | length 8
  Bottom Layer w0.254: U7.5 -3.565,-72.695 -2.295,-73.965 R14.2 R10.2@-0.617,-73.965
NetR11_1: R11.1 R15.2 R17.1 U5.9 | length 13.1
  Bottom Layer w0.254: R15.2 -4.498,-86.538 U5.9 -4.438,-85.05 -4.438,-84.065 -2.593,-82.22 R17.1 R11.1
NetR12_2: R12.2 R13.1 U5.13 | length 7
  Bottom Layer w0.254: R12.2 0.176,-79.528 0.176,-80.925 0.709,-81.458 R13.1 ; U5.13 0.582,-84.366 0.709,-84.239 R13.1@0.709,-82.601
NetR13_2: R13.2 R16.1 U5.14 | length 5
  Bottom Layer w0.254: U5.14 1.948,-85.014 R16.1 3.63,-83.363 2.987,-82.72 2.733,-82.72 R13.2@2.487,-82.474
NetR19_1: R19.1 R21.2 U7.9 | length 4.2
  Bottom Layer w0.254: R19.1 R21.2 -15.801,-73.965 U7.9
SIGNAL: C12.1 D5.2 R10.1 R16.2 | length 21.2
  Bottom Layer w0.254: R10.1 1.09,-77.367 1.09,-80.188 2.106,-81.204 4.519,-81.204 6.17,-82.855 6.17,-83.998 7.948,-85.776 D5.2 7.313,-86.792 C12.1 R16.2
SIN: J5.1 R3.2 U5.1 | length 6.4
  Bottom Layer w0.254: J5.1 1.217,-94.031 1.852,-93.396 U5.1@1.852,-91.318 ; U5.1 U5.1@1.852,-91.318 ; R3.2 2.025,-91.491 U5.1@1.852,-91.318
SPI2_CS: J3.4
SPI2_MISO: J3.1
SPI2_MOSI: J3.3
SPI2_SCK: J3.2
USART2_RXD: J3.5
USART2_TXD: J3.7
VBUS: J1.2 J1.4 J1.6 J1.8 | length 3.8
  Bottom Layer w0.508: J1.2 J1.4 J1.6 J1.8
VCC_3V3_MCU: C3.2 D1.1 D2.1 D3.1 J4.7 R18.2 R22.2 R23.2 R24.2 R25.2 U1.5 | length 105.3
  Top Layer w0.381: U1.5 17.423,-77.288 17.423,-78.36 17.854,-78.791 C3.2 v3(18.997,-80.188)
  Top Layer w0.508: v1(-19.509,-65.659) -19.458,-65.608 -19.458,-57.454 v1(-18.824,-56.82) ; v1(-0.84,-62.992) -0.864,-62.969 -1.453,-62.969 -2.364,-62.058 v1(-2.364,-57.125) -0.764,-55.525 v1(-0.764,-54.077) ; v1@-0.84,-62.969 -0.33,-62.969 0.312,-63.611 0.312,-65.269 -0.931,-66.511 -0.931,-67.661 D1.1 D2.1 D3.1 -0.95,-84.879 -0.692,-85.137 1.348,-85.137 1.979,-84.506 1.979,-82.601 2.995,-81.585 15.568,-81.585 16.965,-80.188 v3(18.997,-80.188)
  Bottom Layer w0.254: R22.2 -0.891,-62.992 v1(-0.84,-62.992)
  Bottom Layer w0.381: v3(18.997,-80.188) 20.03,-81.221 20.03,-83.219 19.405,-83.844 J4.7
  Bottom Layer w0.508: v1(-19.509,-65.659) -19.509,-64.465 R24.2 ; R25.2 -19.344,-58.204 -19.344,-57.423 -18.824,-56.902 v1(-18.824,-56.82) -18.741,-56.82 -18.38,-56.459 -13.128,-56.459 -12.423,-55.753 -7.394,-55.753 -5.717,-54.077 v1(-0.764,-54.077) ; v1(-2.364,-57.125) -2.364,-58.319 R23.2 ; R18.2 -2.023,-68.565 -1.364,-68.565 -0.917,-69.012 v1(-0.917,-70.307)
VCC_5V: C4.1 C5.1 C6.1 C8.2 C9.2 C18.2 C19.2 J2.1 J2.3 J2.5 J2.7 U2.2 U3.16 U4.16 U5.4 U6.4 U7.4 | length 137.5
  Top Layer w0.508: v1(-19.586,-67.869) -19.586,-87.666 -19.629,-87.709 -19.629,-88.291 -19.586,-88.334 -19.586,-90.881 -17.706,-92.761 v1(-1.958,-92.761) C18.2 ; C19.2 v1(-6.709,-71.425) v1(-6.709,-61.317) ; C8.2 -7.598,-61.317 v1(-6.709,-61.317) ; v3(-0.917,-51.638) -1.054,-51.638 -6.709,-57.293 v1(-6.709,-61.317)
  Bottom Layer w0.508: v1(-19.586,-67.869) -18.443,-66.726 -11.61,-66.726 -10.975,-67.361 -10.975,-69.774 -9.324,-71.425 U7.4 v1(-6.709,-71.425) 1.579,-71.425 1.725,-71.571 ; U6.4 -8.005,-61.374 -6.766,-61.374 v1(-6.709,-61.317) ; v1(-1.958,-92.761) U5.4 ; U2.2 -0.942,-51.613 v3(-0.917,-51.638) 1.446,-51.638 3.503,-49.581 C4.1 6.935,-48.054 12.139,-42.85 12.139,-40.31 11.123,-39.294 11.123,-38.661 10.905,-38.443 J2.7 J2.5 J2.3 J2.1 ; 1.725,-71.409 C6.1@5.011,-71.409 ; C5.1@2.741,-71.907 C5.1@2.741,-71.469 ; C6.1@5.027,-71.171 U4.16 8.329,-71.171 8.71,-70.79 C9.2 8.71,-66.006 8.752,-65.964 U3.16
VCC_-5V: C2.1 C10.2 C11.2 U2.1 U4.8 U4.12 U5.11 | length 69.5
  Top Layer w0.508: C10.2 -1.958,-86.608 -1.577,-86.989 v1(-1.577,-87.046) ; v3(1.725,-49.454) 3.63,-51.359 3.63,-71.806 2.805,-72.632 2.805,-74.41 v1(3.376,-74.981)
  Bottom Layer w0.508: U5.11 -1.958,-86.538 -0.307,-88.189 5.535,-88.189 6.805,-89.459 10.107,-89.459 12.901,-86.665 12.901,-80.103 U4.8@12.943,-80.061 ; U2.1 0.029,-49.052 0.029,-48.352 0.327,-48.054 C2.1 v3(1.725,-49.454) ; v1(3.376,-74.981) C11.2 6.279,-76.233 6.962,-76.233 U4.12 8.202,-76.251 12.012,-80.061 U4.8@12.943,-80.061 ; U4.8 U4.8@12.943,-80.061
Vref: R7.1 U3.3 | length 20
  Top Layer w0.254: v1(-3.863,-76.886) -3.863,-66.091 -1.983,-64.211 -1.345,-64.211 -1.04,-64.516 v1(-0.917,-64.516)
  Bottom Layer w0.254: v1(-3.863,-76.886) R7.1 ; v1(-0.917,-64.516) 0.176,-63.424 U3.3
Vref_1V2: U3.2 U6.6 U6.7 | length 12.7
  Bottom Layer w0.381: U6.6 U6.7 -7.314,-65.202 -6.933,-65.583 -0.561,-65.583 0.328,-64.694 U3.2
Vref_1V8: U3.1 U6.8 U6.9 | length 18.8
  Bottom Layer w0.381: U6.9 U6.8 -10.848,-65.202 -9.654,-66.396 0.15,-66.396 0.582,-65.964 U3.1
Vref_2V4: U3.5 U6.13 U6.14 | length 22.9
  Bottom Layer w0.381: U6.13 U6.14 -12.88,-57.582 -11.864,-56.566 -6.911,-56.566 -5.514,-55.169 -1.323,-55.169 1.725,-58.217 1.725,-60.619 1.948,-60.842 2.826,-60.842 U3.5
Vref_3V: U3.15 U7.1 U7.2 | length 19.4
  Bottom Layer w0.381: U7.2 U7.1 -7.404,-67.615 -7.294,-67.506 -7.294,-67.457 -7.071,-67.234 3.63,-67.234 6.17,-64.694 U3.15
Vref_V6: U3.4 U6.1 U6.2 | length 17.4
  Bottom Layer w0.381: U6.2 U6.1 -7.941,-57.5 -6.702,-57.5 -5.133,-55.931 -1.958,-55.931 0.005,-57.894 0.005,-61.265 0.894,-62.154 U3.4
VSS: J1.1 J1.3 J1.5 J1.7 | length 3.8
  Bottom Layer w0.508: J1.1 J1.3 J1.5 J1.7
pads on no net: R2.4 R2.5 U3.12 U3.14 U4.1 U4.2 U4.3 U4.4 U4.5 U4.6 U4.13 U4.14 U4.15 U7.12 U7.13 U7.14

## Polygon pours and split planes (outlines as drawn)
GND on Bottom Layer "GND_L02_P001" (solid, remove dead copper, pour order 1): 12.266,-96.698 12.266,-99.746 20.394,-99.746 20.394,-68.504 9.98,-68.504 9.472,-67.996 9.472,-51.994 9.98,-51.486 15.314,-51.486 15.314,-36.246 -15.166,-36.246 -15.166,-52.248 -15.42,-52.502 -19.992,-52.502 -20.246,-52.756 -20.246,-99.492 -19.992,-99.746 -12.372,-99.746 -12.118,-99.492 -12.118,-96.698
GND on Top Layer "GND_L01_P003" (solid, remove dead copper, pour order 3): 12.266,-96.698 12.266,-99.746 20.394,-99.746 20.394,-68.504 9.98,-68.504 9.472,-67.996 9.472,-51.994 9.98,-51.486 15.314,-51.486 15.314,-36.246 -15.166,-36.246 -15.166,-52.248 -15.42,-52.502 -19.992,-52.502 -20.246,-52.756 -20.246,-99.492 -19.992,-99.746 -12.372,-99.746 -12.118,-99.492 -12.118,-96.698

## Keep-outs
Keep-Out Layer:
  the board outline again, w0.254

## Other copper
Bottom Layer:
  pour cut-out: -15.145,-57.029 -15.201,-56.972 -18.366,-56.972 -18.366,-57.684 -18.011,-58.039 -15.852,-58.039 -15.852,-57.955 -15.243,-57.346
  pour cut-out: 6.279,-74.347 6.279,-71.806 4.138,-71.806 4.138,-74.347
  pour cut-out: 7.059,-83.744 7.059,-80.823 6.737,-80.501 5.325,-80.501 5.325,-80.524 4.983,-80.866 6.617,-82.5 6.617,-83.706 7.021,-83.706
  pour cut-out: 4.435,-84.209 4.73,-84.209 4.9,-84.379 4.9,-85.649 4.354,-85.649 4.227,-85.522 4.435,-85.314
  pour cut-out: 3.715,-80.764 3.715,-75.954 4.929,-75.954 4.962,-75.921 4.962,-75.786 4.222,-75.786 4.222,-75.551 3.812,-75.551 3.547,-75.816 3.547,-80.763 3.546,-80.764
  pour cut-out: -6.583,-72.128 -6.516,-72.06 -3.101,-72.06 -3.101,-72.231 -3.253,-72.384 -3.382,-72.255 -6.567,-72.255 -6.567,-72.144
  pour cut-out: -18.341,-57.582 -18.105,-57.818 -15.243,-57.818 -15.29,-57.865 -15.29,-58.852 -18.214,-58.852 -18.341,-58.979 -18.341,-57.709
  pour cut-out: 8.329,-38.659 9.726,-38.659 9.98,-38.913 9.98,-40.691 8.075,-40.691 8.075,-38.913
  pour cut-out: -4.414,-47.845 -3.7,-47.845 -3.658,-47.887 -3.724,-47.953 -3.724,-48.014 -4.414,-48.014
  pour cut-out: 2.53,-47.249 2.53,-49.923 2.172,-50.281 2.234,-50.343 2.741,-50.343 2.868,-50.216 2.868,-47.295
  pour cut-out: 4.308,-47.249 4.257,-47.198 4.257,-45.521
  pour cut-out: -18.892,-72.652 -15.082,-72.652 -15.039,-72.695 -15.039,-74.981 -16.309,-76.251 -16.571,-75.989 -18.841,-75.989 -18.841,-72.703
  pour cut-out: -18.468,-63.805 -15.603,-63.805 -14.906,-64.502 -15.112,-64.708 -15.112,-66.156 -18.003,-66.156 -18.914,-65.245 -18.468,-64.799 -18.468,-63.678
  pour cut-out: 0.112,-96.56 0.112,-94.45 -0.424,-94.45 -0.645,-94.671 -0.612,-94.703 -0.612,-96.56
  pour cut-out: 5.207,-88.759 0.647,-88.759 0.582,-88.824 0.652,-88.894 0.652,-89.402 4.661,-89.402 5.154,-88.908
  pour cut-out: -8.351,-88.781 -7.364,-88.781 -6.208,-89.937 -6.208,-93.947 -8.351,-93.947
  pour cut-out: -5.176,-77.732 -0.01,-77.732 -0.01,-79.997 -1.133,-81.12 -5.176,-81.12
  pour cut-out: -5.609,-74.77 0.271,-74.77 0.271,-74.938 -5.633,-74.938 -5.633,-74.794
  pour cut-out: -6.799,-67.739 -5.653,-68.885 -2.72,-68.885 -2.212,-69.393 -2.466,-69.647 -6.642,-69.647 -6.968,-69.321 -6.968,-67.908
  pour cut-out: -7.082,-63.195 -6.809,-63.467 -1.639,-63.467 -3.25,-65.078 -6.724,-65.078 -7.04,-64.762 -7.04,-63.167
  pour cut-out: -6.841,-57.977 -6.486,-57.977 -6.395,-58.067 -6.395,-59.097 -1.734,-59.097 -1.558,-59.273 -6.102,-59.273 -6.446,-59.617 -6.511,-59.552 -7.14,-59.552 -7.14,-58.275
  pour cut-out: -6.768,-58.005 -6.768,-58.233 -5.852,-59.149 -1.639,-59.149
  pour cut-out: -19.865,-58.852 -15.29,-58.852 -14.908,-59.233 -14.908,-59.552 -19.803,-59.552 -19.865,-59.614
  pour cut-out: 4.402,-61.918 4.402,-59.997 5.373,-59.026 4.585,-58.237 4.585,-57.78 3.526,-57.78 3.484,-57.822 2.882,-57.822 2.233,-58.471 2.233,-60.313 3.838,-61.918
  pour cut-out: -9.028,-70.819 -9.028,-67.784 -11.174,-65.638 -15.109,-65.638 -15.109,-66.148 -15.039,-66.218 -11.548,-66.218 -10.405,-67.361 -10.405,-69.538 -10.381,-69.538 -9.064,-70.855
  pour cut-out: -1.388,-85.996 1.927,-85.996 2.469,-85.454 2.536,-85.522 5.917,-85.522 6.162,-85.767 6.162,-84.792 7.392,-86.022 7.13,-86.284 2.868,-86.284 2.868,-87.459 2.708,-87.619 -0.071,-87.619 -1.388,-86.302
  pour cut-out: 1.936,-80.246 1.979,-80.203 1.979,-77.267 1.63,-77.267 1.53,-77.367 1.53,-80.006
  pour cut-out: 3.99,-66.16 5.922,-64.227 8.129,-64.227 8.233,-64.124 7.923,-63.814 7.923,-63.697 6.024,-63.697 5.916,-63.805 5.916,-63.432 4.402,-61.918 3.838,-61.918 3.59,-62.166 3.59,-65.759
  pour cut-out: -19.93,-63.232 -14.906,-63.232 -14.906,-63.549 -15.29,-63.932 -15.417,-63.805 -19.865,-63.805 -19.865,-63.297

## Silkscreen, mask and mechanical layers (free items; w line width, h text height)
Top Overlay:
  circle w0.254: c-17,-96 r2
  circle w0.254: c17,-96 r2
  circle w0.254: c17,-72 r2
  circle w0.254: c-17,-55 r2
  circle w0.254: c-13,-39 r2
  circle w0.254: c13,-39 r2
  lines w0.15: -4.826,-34.55 4.826,-34.55 -4.826,-34.55
  text "DS132-1.0-B" at 12.192,-99.568 h1.27
Bottom Overlay:
  circle w0.254: c-17,-96 r2.5
  circle w0.254: c17,-96 r2.5
  circle w0.254: c17,-72 r2.5
  circle w0.254: c-17,-55 r2.5
  circle w0.254: c-13,-39 r2
  circle w0.254: c13,-39 r2
Mechanical 1:
  circle w0.254: c17,-72 r0.9
  circle w0.254: c-13,-39 r0.9
  circle w0.254: c13,-39 r0.9
  circle w0.254: c-17,-55 r0.9
  circle w0.254: c17,-96 r0.9
  circle w0.254: c-17,-96 r0.9
  lines w0.254: -20.5,-100 -12,-100 -12,-97 12,-97 12,-100 20.5,-100 20.5,-68 10,-68 10,-52 15.5,-52 15.5,-36 -15.5,-36 -15.5,-52 -20.5,-52 -20.5,-100
Mechanical 15:
  circle w0.254: c0,-83.68 r0.6
  circle w0.254: c0,-75.68 r0.6
  circle w0.254: c0,-67.68 r0.6
  circle w0.254: c0,-59.48 r1.5
  lines w0.15: -4.485,-36 -4.485,-44.41 4.485,-44.41 4.485,-36
  lines w0.508: -16,-51 16,-51

## Text inside footprints (layer, text, board x,y; h text height)
C5: Bottom Overlay "+" at 1.141,-73.407 h1 r270